# Altium PCB Top Board_PCB.PcbDoc (part 1 of 2)
Units mm, origin at the board's own origin, x right, y up, seen from the top; angles counter-clockwise.
Board outline 139 x 80 mm, 2 copper layers (Top Layer, Bottom Layer), stack 1.57 mm thick; 117 components, 64 nets, 448 pads, 192 vias.
Unrouted connection lines stored in the file: 304.
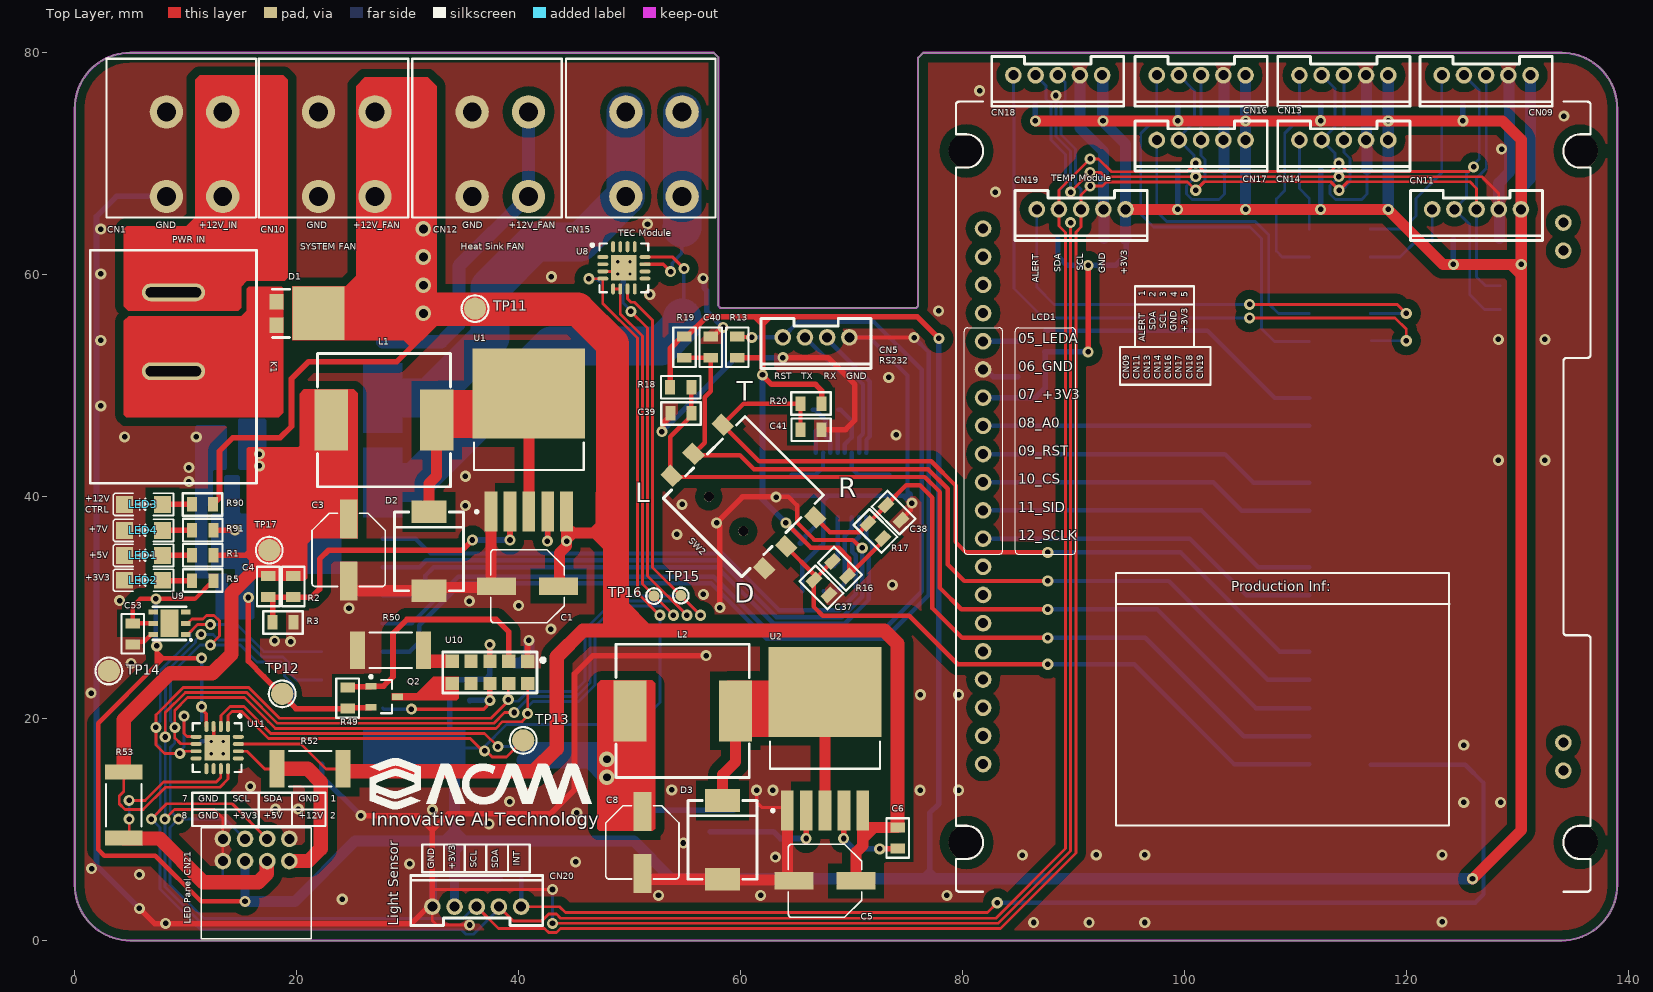
[diagram p0: Top Layer view]
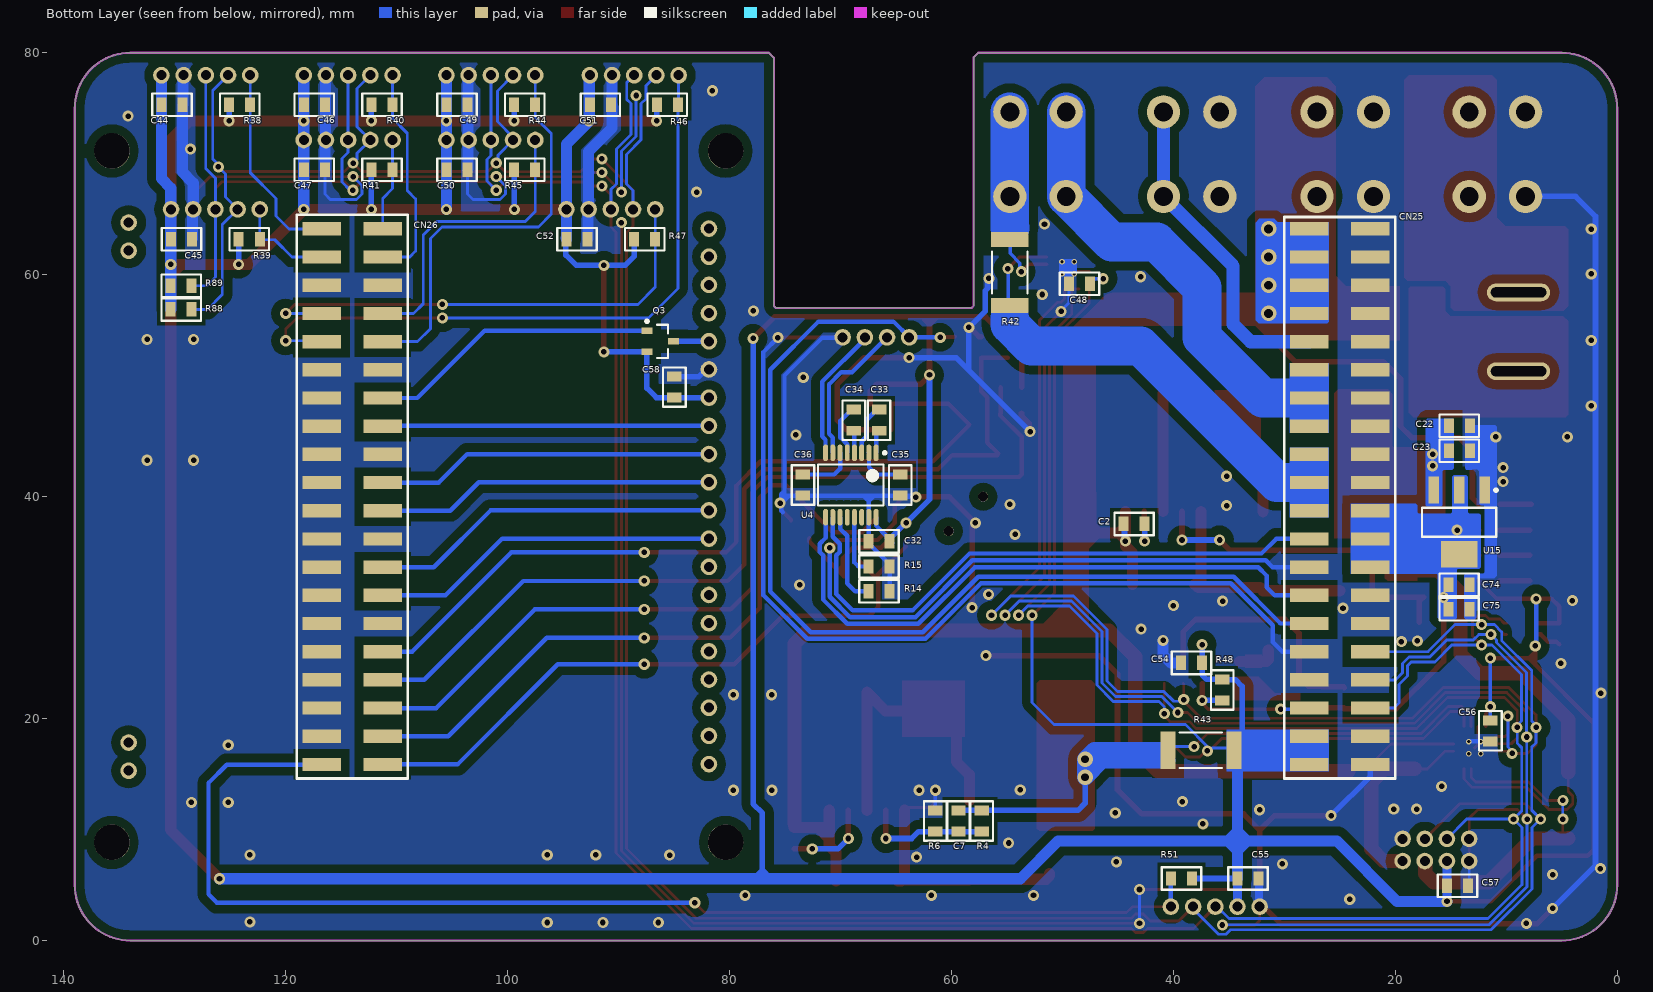
[diagram p1: Bottom Layer view, seen from below]

## Layer stack, top to bottom
Top Solder: solder mask 0.0102, Solder Resist, Dk 3.5
Top Layer: signal copper 0.0356
Dielectric 1: core 1.4986, Core-043, Dk 4.3
Bottom Layer: signal copper 0.0356
Bottom Solder: solder mask 0.0102, Solder Resist, Dk 3.5

## Board outline
0,5 ccw(c5,5) 5,0 134,0 ccw(c134,5) 139,5 139,75 ccw(c134,75) 134,80 76.444,80 76,79.556 76,57.179 75.821,57 58.193,57 58,57.193 58,79.592 57.592,80 5,80 ccw(c5,75) 0,75

## Design rules (kind name [scope] priority, off if disabled: settings)
Clearance Clearance_POLY [InPoly] p1: gap=0.8 ignorepadtopadclearanceinfootprint=FALSE
Clearance [All] p2: gap=0.2 ignorepadtopadclearanceinfootprint=FALSE except(0: Arc-Hole Track-Hole SMDPad-Hole THPad-Hole Via-Hole Fill-Hole Poly-Hole Region-Hole Text-Hole)
ComponentClearance [All] p1: gap=0.01 collisioncheckmode=3 verticalgap=0 showdistances=TRUE
Height [All] p1: minheight=0 maxheight=35 prefheight=12.7
HoleSize [All] p1: absolutevalues=TRUE maxlimit=5 minlimit=0.025 maxpercent=80.000 minpercent=20.000
MinimumSolderMaskSliver [All] p1: minsoldermaskwidth=0.07
PolygonConnect [All] p1: connectstyle=Direct reliefconductorwidth=0.254 reliefentries=4 polygonreliefangle="90 Angle" airgapwidth=0.254
RoutingVias [All] p1: holewidth=0.7 width=1.4 viastyle="Through Hole" minholewidth=0.3 minwidth=1 maxholewidth=1.2 maxwidth=2.4
SilkToSilkClearance [All] p1: silktosilkclearance=0.1
SilkToSolderMaskClearance [IsPad] p1: minsilkscreentomaskgap=0.1 clearancetoexposedcopper=TRUE
SolderMaskExpansion [All] p1: expansion=0.102
Width Width_PWR [InNet('NetCN15_1') or InNet('TEC_A_TOP') or InNet('TEC_B_TOP') or InNet('+12V0') or InNet('NetCN1_1') or InNet('+12V0_IN') or InNet('+12V0_OUT') or InNet('+12V_CMD_TOP') or InNet('+3V3') or InNet('+3V3_OUT') or InNet('+5V0') or InNet('GND') or InNet('+7V0') or InNet('+7V0_OUT')] p1: maxlimit=10 minlimit=0.254 preferedwidth=0.5
Width [All] p2: maxlimit=1 minlimit=0.2 preferedwidth=0.254
24 further rules are at their usual default settings.

## Classes and differential pairs
component class "[13] - TOP BOARD HEADER": CN25 CN26
component class "[09] - DISPLAY": C58 LCD1 Q3
component class "[08] - LUX, LED_BOARD CONN": C55 C56 C57 CN20 "LED Panel CN21" R43 R51 R52 R53 U11
component class "[07] - TEMP, PROXIMITY SENSORS": C53 C54 Q2 R48 R49 R50 TP15 TP16 U9 U10
component class "[06] - TEMP, HUM, CUR SENSORS": C44 C45 C46 C47 C48 C49 C50 C51 C52 CN09 CN10 CN11 CN12 CN13 CN14 CN15 CN16 CN17 CN18 CN19 R38 R39 R40 R41 R42 R44 R45 R46 R47 R88 R89 U8
component class "[03] - RS232, JOYSTICK": C32 C33 C34 C35 C36 C37 C38 C39 C40 C41 CN5 R13 R14 R15 R16 R17 R18 R19 R20 SW2 U4
component class "[01] - POWER": C1 C2 C3 C4 C5 C6 C7 C8 C22 C23 C74 C75 CN1 D1 D2 D3 K1 L1 L2 LED1 LED2 LED3 LED4 R1 R2 R3 R4 R5 R6 R90 R91 TP11 TP12 TP13 TP14 TP17 U1 U2 U15

## Components (designator, comment, footprint, x,y, rotation, side; value= is the part's Value field where it differs from the comment)
C1 "100uF" WCAP-ASLI_6.3x5.5 40.798,31.928 r0 top
C2 "1uF" 0805_C_AUTO 43.536,37.541 r0 bottom
C3 "220uF" WCAP-ASLI_6.3x5.5 24.682,35.201 r90 top
C4 "33nF" 0805_C_AUTO 17.45,31.902 r90 top
C5 "100uF" WCAP-ASLI_6.3x5.5 67.611,5.385 r0 top
C6 "1uF" 0805_C_AUTO 74.168,9.235 r90 top
C7 "33nF" 0805_C_AUTO 59.36,10.77 r90 bottom
C8 "220uF" WCAP-ASLI_6.3x5.5 51.156,8.839 r90 top
C22 "0.1uF" 0805_C_AUTO 14.227,46.38 r0 bottom
C23 "1uF" 0805_C_AUTO 14.227,44.145 r0 bottom
C32 "0.1uF" 0805_C_AUTO 66.523,35.966 r180 bottom
C33 "0.1uF" 0805_C_AUTO 66.523,46.888 r270 bottom
C34 "0.1uF" 0805_C_AUTO 68.809,46.888 r90 bottom
C35 "0.1uF" 0805_C_AUTO 64.618,41.046 r90 bottom
C36 "0.1uF" 0805_C_AUTO 73.381,41.046 r90 bottom
C37 "0.1uF" 0805_C_AUTO 67.285,31.826 r135 top
C38 "0.1uF" 0805_C_AUTO 73.787,38.557 r135 top
C39 "0.1uF" 0805_C_AUTO 54.635,47.498 r0 top
C40 "0.1uF" 0805_C_AUTO 57.315,53.467 r270 top
C41 "0.1uF" 0805_C_AUTO 66.356,46.038 r180 top
C44 "0.1uF" 0805_C_AUTO 130.241,75.311 r0 bottom
C45 "0.1uF" 0805_C_AUTO 129.377,63.195 r0 bottom
C46 "0.1uF" 0805_C_AUTO 117.414,75.311 r0 bottom
C47 "0.1uF" 0805_C_AUTO 117.414,69.469 r0 bottom
C48 "0.1uF" 0805_C_AUTO 48.463,59.182 r180 bottom
C49 "0.1uF" 0805_C_AUTO 104.555,75.311 r0 bottom
C50 "0.1uF" 0805_C_AUTO 104.555,69.469 r0 bottom
C51 "0.1uF" 0805_C_AUTO 91.633,75.311 r0 bottom
C52 "0.1uF" 0805_C_AUTO 93.741,63.195 r0 bottom
C53 "0.1uF" 0805_C_AUTO 5.232,27.635 r90 top
C54 "0.1uF" 0805_C_AUTO 38.364,25.019 r180 bottom
C55 "0.1uF" 0805_C_AUTO 33.27,5.588 r0 bottom
C56 "0.1uF" 0805_C_AUTO 11.43,18.898 r90 bottom
C57 "0.1uF" 0805_C_AUTO 14.392,4.928 r0 bottom
C58 "0.1uF" 0805_C_AUTO 84.963,49.87 r90 bottom
C74 "0.1uF" 0805_C_AUTO 14.249,32.055 r0 bottom
C75 "1uF" 0805_C_AUTO 14.249,29.845 r0 bottom
CN1 "2 pin Connector" KF142R_CONN_2PIN 10.795,70.866 r180 top
CN5 "PH Connector 4-pin" PH_4PIN 66.802,54.356 r180 top
CN09 "PH Connector 5-pin" PH_5PIN 127.191,77.978 r180 top
CN10 "2 pin Connector" KF142R_CONN_2PIN 24.511,70.866 r180 top
CN11 "PH Connector 5-pin" PH_5PIN 126.327,65.891 r180 top
CN12 "2 pin Connector" KF142R_CONN_2PIN 38.354,70.866 r180 top
CN13 "PH Connector 5-pin" PH_5PIN 114.364,77.978 r180 top
CN14 "PH Connector 5-pin" PH_5PIN 114.364,72.139 r180 top
CN15 "2 pin Connector" KF142R_CONN_2PIN 52.197,70.866 r180 top
CN16 "PH Connector 5-pin" PH_5PIN 101.505,77.978 r180 top locked
CN17 "PH Connector 5-pin" PH_5PIN 101.505,72.139 r180 top
CN18 "PH Connector 5-pin" PH_5PIN 88.583,77.978 r180 top
CN19 "PH Connector 5-pin" PH_5PIN 90.691,65.891 r180 top
CN20 "PH Connector 5-pin" PH_5PIN 36.22,3.048 r0 top locked
CN25 "Male Pin Header 2x20 SMD" HEADER_2x20_SMD 25,40 r270 bottom locked
CN26 "Male Pin Header 2x20 SMD" HEADER_2x20_SMD 114,40 r270 bottom locked
D1 "SS12P3L" TO-277A 18.161,56.515 r270 top
D2 "SM5822" DO-214AB 31.921,35.074 r90 top
D3 "SM5822" DO-214AB 58.369,9.068 r90 top
K1 "Rocker Key" MR-1-116 8.89,57.455 r270 top
L1 "47uH" INDUCTOR_12X12 27.864,46.888 r270 top
L2 "47uH" INDUCTOR_12X12 54.784,20.701 r270 top
LCD1 "128 x 64 LCD" LCD_128x64 108,40 r90 top locked
LED1 "RED" LED_1206 6.147,34.722 r90 top
LED2 "GREEN" LED_1206 6.147,32.487 r90 top
LED3 "BLUE" LED_1206 6.147,39.318 r90 top
LED4 "WHITE" LED_1206 6.147,36.982 r90 top
"LED Panel CN21" "PHD 2x4 right" PHDR_8PIN 16.342,8.163 r0 top
Q2 "IRLML6402" SOT23 27.889,21.971 r0 top
Q3 "BC807" SOT23 86.233,54 r180 bottom
R1 "470R" 0805_R_AUTO 11.532,34.722 r0 top
R2 "46K4" 0805_R_AUTO 19.685,31.902 r90 top
R3 "10K" 0805_R_AUTO 18.771,28.664 r180 top
R4 "1K65" 0805_R_AUTO 57.277,10.77 r90 bottom
R5 "100R" 0805_R_AUTO 11.532,32.436 r180 top
R6 "1K" 0805_R_AUTO 61.443,10.77 r270 bottom
R13 "4K7" 0805_R_AUTO 59.69,53.467 r90 top
R14 "0" 0805_R_AUTO 66.523,31.471 r0 bottom
R15 "0" 0805_R_AUTO 66.523,33.706 r180 bottom
R16 "10K" 0805_R_AUTO 68.961,33.503 r315 top
R17 "10K" 0805_R_AUTO 72.151,36.913 r315 top
R18 "10K" 0805_R_AUTO 54.61,49.86 r180 top
R19 "10K" 0805_R_AUTO 54.94,53.467 r90 top
R20 "10K" 0805_R_AUTO 66.345,48.387 r0 top
R38 "10K" 0805_R_AUTO 124.141,75.311 r180 bottom
R39 "10K" 0805_R_AUTO 123.277,63.195 r180 bottom
R40 "10K" 0805_R_AUTO 111.314,75.311 r180 bottom
R41 "10K" 0805_R_AUTO 111.314,69.469 r180 bottom
R42 "0.02R/1W" 2512_R 54.737,60.198 r270 bottom
R43 "0.1R/1W" 2512_R 37.516,17.145 r0 bottom
R44 "10K" 0805_R_AUTO 98.455,75.311 r180 bottom
R45 "10K" 0805_R_AUTO 98.455,69.469 r180 bottom
R46 "10K" 0805_R_AUTO 85.598,75.311 r180 bottom
R47 "10K" 0805_R_AUTO 87.641,63.195 r180 bottom
R48 "8K2" 0805_R_AUTO 35.585,22.581 r270 bottom
R49 "1K" 0805_R_AUTO 24.587,21.844 r270 top
R50 "2R7/2W" 2512_R 28.47,26.162 r0 top
R51 "10K" 0805_R_AUTO 39.27,5.588 r0 bottom
R52 "0.05R/1W" 2512_R 21.209,15.469 r0 top
R53 "0.05R/1W" 2512_R 4.42,12.192 r90 top
R88 "4K7" 0805_R_AUTO 129.413,56.871 r0 bottom
R89 "4K7" 0805_R_AUTO 129.413,59.004 r0 bottom
R90 "1K" 0805_R_AUTO 11.506,39.299 r0 top
R91 "220R" 0805_R_AUTO 11.532,36.982 r180 top
SW2 "LY-A07-03B" LY-A07-03B 60.249,40 r135 top
TP11 "Test Point" PIN_2mm 36.068,56.947 r90 top locked
TP12 "Test Point" PIN_2mm 18.694,22.225 r90 top locked
TP13 "Test Point" PIN_2mm 40.411,18.034 r90 top locked
TP14 "Test Point" PIN_2mm 3.071,24.29 r90 top
TP15 "Test Point" PIN_1mm 54.61,31.09 r90 top
TP16 "Test Point" PIN_1mm 52.197,31.039 r90 top
TP17 "Test Point" PIN_2mm 17.526,35.179 r90 top locked
U1 "XL4015" TO-263-5 40.919,45.11 r90 top
U2 "XL4015" TO-263-5 67.611,18.186 r90 top
U4 "MAX3232CPWR" TSSOP-16 69.063,41.046 r270 bottom
U8 "INA3221" QFN-16#1 49.484,60.62 r0 top
U9 "SI7021" DFN-6 8.534,28.585 r180 top
U10 "VCNL4200" VCNL4200 37.414,24.155 r180 top
U11 "INA3221" QFN-16#2 12.836,17.382 r270 top
U15 "REG1117-5" SOT-223 14.249,37.694 r270 bottom

## Footprints (in the part's own frame and the unit in brackets; to place one, negate y for a bottom-side part, rotate by r counter-clockwise, add the part's x,y. Pads: shape width x height; smd on the part's side, far side on the other; paste and mask are expansions set on the pad)
0805_C_AUTO [mm] "Machine Assembly"
  rect 0.9x1.3 smd mask+0.07: 1(-0.95,0) 2(0.95,0)
  silkscreen extent -1.78,-1.02 1.78,1.02, body extent -1,-0.6 1,0.6, height 1.5
0805_R_AUTO [mm] "Machine Assembly"
  rect 0.9x1.3 smd mask+0.07: 1(-0.95,0) 2(0.95,0)
  silkscreen extent -1.78,-1.02 1.78,1.02, body extent -1,-0.6 1,0.6, height 0.7
2512_R [mm]
  rect 1.35x3.4 smd mask+0.07: 1(-2.975,0) 2(2.975,0)
  silkscreen extent -1.9,-1.6 1.9,1.6, body extent -3.3,-1.7 3.3,1.7, height 0.6
DFN-6 [mm] "3x3 DFN 6 Pin"
  rect 0.85x0.45 smd mask+0.07: 1(-1.45,1) 2(-1.45,0) 3(-1.45,-1) 4(1.45,-1) 5(1.45,0) 6(1.45,1)
  rect 1.6x2.5 smd mask+0.07: 7(0,0)
  silkscreen extent -2.01,-1.5 1.5,1.58, body extent -1.5,-1.5 1.5,1.5, height 1.21
DO-214AB [mm] "Diode"
  rect 2.032x3.18 smd mask+0.07: 1(-3.55,0) 2(3.55,0)
  silkscreen extent -3.55,-3.11 3.55,3.11, body extent -3.97,-2.95 3.98,2.95, height 2.3
HEADER_2x20_SMD [mm] "Pitch 2.54mm"
  rect 1.2x3.5 smd mask+0.07: 1(-24.13,-2.75) 2(-21.59,-2.75) 3(-19.05,-2.75) 4(-16.51,-2.75) 5(-13.97,-2.75) 6(-11.43,-2.75) 7(-8.89,-2.75) 8(-6.35,-2.75) 9(-3.81,-2.75) 10(-1.27,-2.75) 11(1.27,-2.75) 12(3.81,-2.75) 13(6.35,-2.75) 14(8.89,-2.75) 15(11.43,-2.75) 16(13.97,-2.75) 17(16.51,-2.75) 18(19.05,-2.75) 19(21.59,-2.75) 20(24.13,-2.75) 21(24.13,2.75) 22(21.59,2.75) 23(19.05,2.75) 24(16.51,2.75) 25(13.97,2.75) 26(11.43,2.75) 27(8.89,2.75) 28(6.35,2.75) 29(3.81,2.75) 30(1.27,2.75) 31(-1.27,2.75) 32(-3.81,2.75) 33(-6.35,2.75) 34(-8.89,2.75) 35(-11.43,2.75) 36(-13.97,2.75) 37(-16.51,2.75) 38(-19.05,2.75) 39(-21.59,2.75) 40(-24.13,2.75)
  silkscreen extent -25.2,-5 25.4,5, body extent -25.4,-3.75 25.4,3.75, height 9.7
INDUCTOR_12X12 [mm] "Coilcraft MSS1210 series"
  rect 5.5x3 smd: 1(0,4.75) 2(0,-4.75)
  silkscreen extent -6,-6 6,6, body extent -6.15,-6.15 6.15,6.15, height 10.16
KF142R_CONN_2PIN [mm] "KAIFENG Screwless 2 pin Connector"
  round 3 hole 1.7 mask+0.07: 1(-2.54,3.81) 1(-2.54,-3.81) 2(2.54,3.81) 2(2.54,-3.81)
  silkscreen extent -5.54,-8.59 7.94,5.71, body extent -4.93,-8.57 7.67,5.53, height 13.4
LCD_128x64 [mm]
  round 1.5 hole 0.9: 1(24.16,26.15) 2(21.62,26.15) 3(19.08,26.15) 4(16.54,26.15) 5(14,26.15) 6(11.46,26.15) 7(8.92,26.15) 8(6.38,26.15) 9(3.84,26.15) 10(1.3,26.15) 11(-1.24,26.15) 12(-3.78,26.15) 13(-6.32,26.15) 14(-8.86,26.15) 15(-11.4,26.15) 16(-13.94,26.15) 17(-16.48,26.15) 18(-19.02,26.15) 19(-21.56,26.15) 20(-24.1,26.15) 21(24.7,-26.15) 22(22.16,-26.15) 23(-22.16,-26.15) 24(-24.7,-26.15)
  silkscreen extent -35.6,-28.6 35.6,28.6, body extent -35.6,-28.6 35.6,28.6, height 26.8
LED_1206 [mil]
  rect 60x60 smd: 1(-0.75,-68.86) 2(-0.75,66.14)
  silkscreen extent -40,-108 39,106
LY-A07-03B [mm] "Multi Direction Tact Switch"
  rect 1.6x1.3 smd mask+0.07: 1(-5.9,3.25) 2(-5.9,0.45) 3(-5.9,-3.25) 4(5.9,3.25) 5(5.9,0.45) 6(5.9,-3.25)
  round 0.9 hole 0.9 mask+0.07: ""(-2.2,2.2) ""(2.2,2.2)
  silkscreen extent -5,-5.2 5,5.2
MR-1-116 [mm] "Switch"
  oval 1.6x5.7 hole 0.9 slot 5 at 90 deg mask+0.07: 1(-0.95,0) 2(6.15,0)
  silkscreen extent -4.75,-7.5 16.25,7.5
PH_4PIN [mm] "PH Connector 4 pin, 2mm pitch"
  round 1.5 hole 0.9 mask+0.07: 1(3,0) 2(1,0) 3(-1,0) 4(-3,0)
  silkscreen extent -4.95,-1.7 4.95,2.8, body extent -5,-1.69 4.95,2.81, height 6
PH_5PIN [mm] "PH Connector 5 pin, 2mm pitch"
  round 1.5 hole 0.9 mask+0.07: 1(4,0) 2(2,0) 3(0,0) 4(-2,0) 5(-4,0)
  silkscreen extent -5.95,-1.7 5.95,2.8, body extent -5.92,-1.73 5.98,2.77, height 6
PHDR_8PIN [mm] "S8B-PHDSS, PHD Connector , 2x4, 2mm pitch, right"
  round 1.5 hole 0.9 mask+0.07: 1(3,1) 2(3,-1) 3(1,1) 4(1,-1) 5(-1,1) 6(-1,-1) 7(-3,1) 8(-3,-1)
  silkscreen extent -4.95,-8 4.95,2, body extent -4.98,-7.98 4.92,1.52, height 5
PIN_1mm [mm] "single pin"
  round 1 smd mask+0.07: 1(0,0)
  silkscreen extent -0.71,-0.71 0.71,0.71
PIN_2mm [mm] "single pin"
  round 2 smd mask+0.07: 1(0,0)
  silkscreen extent -1.2,-1.2 1.2,1.2
QFN-16#1 [mm] "QFN, 16-Leads, Body 4.00x4.00mm, Pitch 0.65mm, Thermal Pad 2.30x2.30mm, IPC Medium Density"
  oval 1x0.35 smd: 1(-1.9,0.975) 2(-1.9,0.325) 3(-1.9,-0.325) 4(-1.9,-0.975) 9(1.9,-0.975) 10(1.9,-0.325) 11(1.9,0.325) 12(1.9,0.975)
  oval 0.35x1 smd: 5(-0.975,-1.9) 6(-0.325,-1.9) 7(0.325,-1.9) 8(0.975,-1.9) 13(0.975,1.9) 14(0.325,1.9) 15(-0.325,1.9) 16(-0.975,1.9)
  rect 2.3x2.3 smd mask+0: 17(0,0)
  silkscreen extent -2.97,-2.2 2.2,2.2, body extent -2.1,-2.1 2.1,2.1, height 1
QFN-16#2 [mm] "QFN, 16-Leads, Body 4.00x4.00mm, Pitch 0.65mm, Thermal Pad 2.30x2.30mm, IPC Medium Density"
  oval 1x0.35 smd: 1(-1.9,0.975) 2(-1.9,0.325) 3(-1.9,-0.325) 4(-1.9,-0.975) 11(1.9,0.325) 12(1.9,0.975)
  oval 0.35x1 smd: 5(-0.975,-1.9) 6(-0.325,-1.9) 7(0.325,-1.9) 8(0.975,-1.9) 13(0.975,1.9) 14(0.325,1.9) 15(-0.325,1.9) 16(-0.975,1.9)
  oval 1x0.35 smd mask+0.07: 9(1.9,-0.975) 10(1.9,-0.325)
  rect 2.3x2.3 smd mask+0: 17(0,0)
  silkscreen extent -2.97,-2.2 2.2,2.2, body extent -2.1,-2.1 2.1,2.1, height 1
SOT23 [mm] "SOT23, 3-Leads, Body 2/90x2/45mm, Pitch 0/95mm, IPC Medium Density"
  rect 1x0.6 smd mask+0.07: 1(-1.2,0.95) 2(-1.2,-0.95) 3(1.2,0)
  silkscreen extent -1.32,-1.5 0.7,1.92, body extent -1.2,-1.5 1.2,1.5, height 1.1
SOT-223 [mm] "SOT223, 4-Leads, Body 6.7x7.3mm (max), Pitch 2.30mm, IPC Medium Density"
  rect 2.4x0.95 smd mask+0.07: 1(-2.9,2.3) 2(-2.9,0) 3(-2.9,-2.3)
  rect 2.4x3.3 smd mask+0.07: 2(2.9,0)
  silkscreen extent -3.02,-3.35 1.3,3.45, body extent -1.85,-3.35 1.85,3.35, height 1.8
TO-263-5 [mm] "D2-PAK, 6-Pads, Body 8,9x9,9mm (max), IPC Low Density"
  rect 3.6x1.15 smd mask+0.07: 1(-6.45,3.4) 2(-6.45,1.7) 3(-6.45,0) 4(-6.45,-1.7) 5(-6.45,-3.4)
  rect 8.1x10.15 smd paste-5 mask+0.07: 3(4.2,0)
  silkscreen extent -6.6,-4.95 -0.25,4.95, body extent -7.31,-5.08 7.33,5.08, height 4.57
TO-277A [mm] "Dual Diode Package"
  rect 1.4x1.27 smd: 1(1.065,0) 2(-1.065,0)
  rect 4.8x4.72 smd: 3(0,3.805)
  silkscreen extent -2.17,-0.33 2.17,1.19, body extent -2.33,-0.46 2.27,6.04, height 1.05
TSSOP-16 [mm] "TSSOP, 16-Leads, Body 5.50x4.40mm, Pitch 0.65mm, IPC Medium Density"
  oval 1.5x0.45 smd mask+0.065: 1(-2.9,2.275) 2(-2.9,1.625) 3(-2.9,0.975) 4(-2.9,0.325) 5(-2.9,-0.325) 6(-2.9,-0.975) 7(-2.9,-1.625) 8(-2.9,-2.275) 9(2.9,-2.275) 10(2.9,-1.625) 11(2.9,-0.975) 12(2.9,-0.325) 13(2.9,0.325) 14(2.9,0.975) 15(2.9,1.625) 16(2.9,2.275)
  silkscreen extent -3.02,-2.95 1.85,3.17, body extent -3.2,-2.95 3.2,2.95, height 1.2
VCNL4200 [mm] "High Sensitivity Long Distance Proximity Sensor"
  rect 1.2x1.2 smd mask+0.07: 1(-3.4,-1) 2(-1.7,-1) 3(0,-1) 4(1.7,-1) 5(3.4,-1) 6(3.4,1) 7(1.7,1) 8(0,1) 9(-1.7,1) 10(-3.4,1)
  silkscreen extent -4.94,-1.85 4.25,1.85, body extent -4,-1.47 4,1.53, height 1.8
WCAP-ASLI_6.3x5.5 [mm] "Aluminium Electrolytic V-Chip SMT Capacitors, ��6.3x5.5mm"
  rect 3.5x1.6 smd mask+0.07: 1(2.8,0) 2(-2.8,0)
  silkscreen extent -3.3,-3.3 3.3,3.3, body extent -3.65,-3.3 3.65,3.3, height 5.5

## Part data
C1 C5: library part "Cap Aluminium Electrolytic", "Aluminium Electrolytic Capacitor", RATED_VOLTAGE=25V
C2 C6 C23 C75: library part "Cap SMD", "Non-Pol SMD Capacitor", RATED_VOLTAGE=25V
C3 C8: library part "Cap Aluminium Electrolytic", "Aluminium Electrolytic Capacitor", RATED_VOLTAGE=16V
C4 C7 C22 C32 C33 C34 C35 C36 C37 C38 C39 C40 C41 C44 C45 C46 C47 C48 C49 C50 C51 C52 C53 C54 C55 C56 C57 C58 C74: library part "Cap SMD", "Non-Pol SMD Capacitor", RATED_VOLTAGE=16V
CN1 CN10 CN12 CN15: library part "Connector Screwless 2 pin", "KAIFENG Screwless Connector 2 pin", Manufacturer Part Num=KF142R
CN5: "PH Connector , 4 pin, 2mm pitch, straight"
CN09 CN11 CN13 CN14 CN16 CN17 CN18 CN19 CN20: "PH Connector , 5 pin, 2mm pitch, straight"
CN25 CN26: library part "Pin header Male 2x20 smd", "SMD Male Pin Header 2.54mm Pitch, 2x20", System=Connector
D1: library part "Diode dual", "High Current Density Surface Mount Schottky Barrier Rectifiers", Manufacturer Part Num=SS12P3LHM3_A/H
D2 D3: library part "Diode Schottky", "Schottky Diode"
K1: Manufacturer Part Num=MR-1-116-C5N-BB
L1 L2: library part Inductor, "Inductor SMD", Manufacturer Part Num=MSS1210-473MED
LCD1: library part "LCD 128x64", "Chiness 128 x 64 LCD"
LED1 LED2 LED3 LED4: library part LED, "Typical LED"
"LED Panel CN21": library part "PHD Connector 2x4 Right", "S8B-PHDSS, PH Double Right 2x4"
Q2: library part "MOSFET P-CH", "P-Channel Mosfet", Manufacturer Part Num=IRLML6402TRPBF
Q3: library part "Transistor PNP", "PNP General Purpose Transistor"
R1 R2 R3 R4 R6: library part "Res SMD", "SMD Resistor", Tolerance=1%
R5 R13 R14 R15 R16 R17 R18 R19 R20 R38 R39 R40 R41 R44 R45 R46 R47 R48 R49 R51 R88 R89 R90 R91: library part "Res SMD", "SMD Resistor", Tolerance=5%
R42: library part "Res SMD", "SMD Resistor", Manufacturer Part Num=RL2512FK-070R02L, Tolerance=1%
R43: library part "Res SMD", "SMD Resistor", Manufacturer Part Num=RL2512FK-070R1L, Tolerance=1%
R50: library part "Res SMD", "SMD Resistor", Manufacturer Part Num=AC2512JK-7W2R7L, Tolerance=5%
R52 R53: library part "Res SMD", "SMD Resistor", Manufacturer Part Num=RL2512FK-070R05L, Tolerance=1%
SW2: library part "KEY 5W", "5 Way Key"
TP11 TP12 TP13 TP14 TP15 TP16 TP17: "Test Point Footprint"
U4: library part MAX3232, "3.0V TO 5.5V, Low-Power, up to 1Mbps, True RS-232 Transceiver Using Four 0.1µF External Capacitor"
U8 U11: "INA3221 Triple-Channel, High-Side Measurement, / Shunt and Bus Voltage Monitor with I2C- and SMBUS-Compatible Interface", Manufacturer Part Num=INA3221AIRGVR
U9: "I2C HUMIDITY AND TEMPERATURE SENSOR"
U10: "High Sensitivity Long Distance Proximity and Ambient Light Sensor With I2C Interface"
U15: library part REG1117, "3-Terminal Positive Fixed Voltage Regulator"

## Free pads (board coordinates)
  round 3.2 hole 3.2 mask+0.07: ""(80.35,8.85) ""(80.35,71.15) ""(135.65,8.85) ""(135.65,71.15)

## Via types
v1: diameter 1, hole 0.5, Top Layer to Bottom Layer, tented both sides, 178 vias
v2: diameter 0.5, hole 0.3, Top Layer to Bottom Layer, 8 vias
v3: diameter 1.4, hole 0.8, Top Layer to Bottom Layer, tented both sides, 4 vias
v4: diameter 1.4, hole 0.7, Top Layer to Bottom Layer, tented both sides, 2 vias

## Nets (pads, with @x,y where several pads share a name; then routed paths per layer and width w, separated by ;. In a path a pad name is that pad's centre, name@x,y a point inside that pad or via, vN(x,y) a via of type N, cw(c..) or ccw(c..) an arc to the next point about the centre after c; other vN are vias at no path point)
+3V3: "LED Panel CN21.6" C32.2 C44.2 C45.2 C46.2 C47.2 C48.2 C49.2 C50.2 C51.2 C52.2 C53.2 C54.2 C55.2 C56.2 C57.2 C58.1 CN09.5 CN11.5 CN13.5 CN14.5 CN16.5 CN17.5 CN18.5 CN19.5 CN20.4 CN25.19 CN25.20 LCD1.7 Q3.2 R5.1 R13.1 R16.2 R17.2 R18.2 R19.2 R20.2 R38.1 R39.1 R40.1 R41.1 R43.1 R44.1 R45.1 R46.1 R47.1 R48.1 R51.1 R88.2 R89.2 TP13.1 U4.16 U8.4 U9.5 U10.3 U11.1 U11.4 | length 716.9
  Top Layer w0.254: U11.1@13.811,19.282 13.811,20.262 14.176,20.628 15.052,20.628 17.47,18.21 35.638,18.21 36.76,17.088 v1(36.925,17.088) 37.067,17.088 37.619,16.535 38.913,16.535 TP13.1@40.411,18.034 ; v1@46.332,59.642 U8.4@47.581,59.642 ; U8.4@47.543,59.642 47.584,59.601 47.584,57.405 50.708,54.281 50.708,31.309 v1@52.705,29.312
  Top Layer w0.3: v1(11.43,21.064) 11.43,20.875 11.861,20.444 U11.4@11.861,19.282 ; v1(46.33,59.639) v1@46.332,59.642 ; U8.4@47.581,59.642 U8.4@47.584,59.645
  Top Layer w0.4: U9.5@7.084,28.585 C53.2@5.232,28.585 5.232,30.124 5.893,30.785 v1(7.315,30.785) 10.831,30.785 R5.1@12.482,32.436 ; v1(7.391,26.543) 7.391,25.984 ; v1(11.43,25.451) 7.95,25.451 ; v1(15.342,3.531) 11.379,3.531 7.264,7.645 2.667,7.645 2.108,8.204 2.108,19.583 7.391,24.867 ; v1(64.084,37.643) 66.319,35.408 68.834,35.408 69.774,34.467 69.774,33.782 ; R17.2@72.823,36.241 72.823,35.965 70.182,33.323 ; 7.391,24.867 7.391,25.451 ; 7.391,24.867 7.95,25.425 ; 7.391,25.451 7.925,25.451 ; 7.391,25.451 7.391,25.984 ; 7.391,25.984 7.925,25.451 ; 7.925,25.451 7.95,25.451 ; 7.925,25.451 7.95,25.425 ; 7.95,25.425 7.95,25.451 ; 69.774,33.782 69.774,32.972 R16.2@69.633,32.831 69.689,32.831 70.182,33.323 ; 69.774,33.782 70.182,33.375 70.182,33.323
  Top Layer w0.5: U10.3@37.414,25.155 v1(37.414,26.67) ; R18.2@53.66,49.86 53.66,53.337 54.74,54.417 R19.2@54.94,54.417 55.14,54.417 56.918,56.195 61.316,56.195 ; R13.1@59.69,52.517 61.966,52.517 61.976,52.527 ; R20.2@67.295,48.387 67.31,48.402 67.31,49.555 66.751,50.114 62.789,50.114 61.976,50.927 v1(61.976,50.978) 61.976,52.527 ; v1(77.876,54.254) 75.936,56.195 62.509,56.195 ; v1(91.313,53.05) v1(91.313,60.833) ; 61.316,56.195 61.912,56.195 ; 61.316,56.195 61.976,55.535 ; 61.912,56.195 62.509,56.195 ; 61.912,56.195 61.976,56.132 61.976,55.535 ; 61.976,52.527 61.976,55.535 ; 61.976,55.535 62.509,56.068 62.509,56.195
  Top Layer w1: v1(86.563,73.863) 128.651,73.863 130.353,72.161 v1(130.353,60.935) ; CN19.5@94.691,65.891 v1(105.505,65.891) v1(118.364,65.891) 123.32,60.935 v1(124.231,60.935) 129.413,60.935 ; v1(125.959,5.563) 130.353,9.957 130.353,59.995 ; 129.413,60.935 130.353,59.995 ; 129.413,60.935 v1(130.353,60.935) ; 130.353,59.995 v1(130.353,60.935)
  Bottom Layer w0.254: R43.1@35.074,16.612 R43.1@34.541,17.145 34.744,17.348 36.5,17.348 36.603,17.245 36.805,17.245 36.906,17.144 37.059,17.296 v1@37.059,17.493 ; v1@36.805,17.348 38.913,19.456 50.749,19.456 52.73,21.438 v1@52.73,29.337
  Bottom Layer w0.3: C56.2@11.43,19.848 v1(11.43,21.064) v1(11.43,25.451) ; v1(46.33,59.639) 47.056,59.639 C48.2@47.513,59.182
  Bottom Layer w0.4: v1@7.315,26.543 v1(7.315,30.785) ; C32.2@65.573,35.966 65.823,36.216 65.823,36.435 66.788,37.4 U4.16@66.788,37.793 ; U4.16@66.765,37.77 U4.16@66.788,37.793 ; U4.16@66.788,38.146 U4.16@66.788,37.793
  Bottom Layer w0.5: 33.807,18.237 33.807,22.9 34.417,23.51 35.565,23.51 R48.1@35.585,23.531 ; C55.2@34.22,5.588 R51.1@38.32,5.588 ; R48.1@35.296,23.541 37.003,23.541 37.414,23.952 C54.2@37.414,25.019 v1(37.414,26.67) ; v1(61.976,50.978) 61.976,39.751 v1(64.084,37.643) ; v1@64.078,37.661 65.573,36.166 C32.2@65.573,35.966 C32.2@65.395,35.789 ; 76.251,5.563 77.038,6.35 ; 77.089,5.563 77.038,5.613 77.038,6.35 ; 77.826,5.563 77.038,6.35 ; v1(77.876,54.254) 77.876,12.319 77.038,11.481 77.038,6.35 ; LCD1.7@81.85,48.92 C58.1@84.963,48.92 86.588,48.92 87.452,49.784 87.452,53.031 Q3.2@87.433,53.05 v1(91.313,53.05) ; R46.1@86.548,75.311 86.556,75.303 86.556,73.871 v1(86.563,73.863) ; R47.1@88.591,63.195 88.591,61.65 89.408,60.833 v1(91.313,60.833) 93.802,60.833 94.735,61.766 94.735,63.288 C52.2@94.718,63.305 ; C51.2@92.583,75.311 CN18.5@92.583,77.978 ; C52.2@94.691,63.332 C52.2@94.718,63.305 ; C52.2@94.735,63.322 C52.2@94.718,63.305 ; v1(99.39,65.888) 99.398,65.895 99.398,69.462 R45.1@99.405,69.469 ; R44.1@99.405,75.311 99.41,75.306 99.41,73.876 v1(99.416,73.871) ; R41.1@112.264,69.469 112.268,69.465 v1(112.268,65.888) ; v1@112.264,73.881 R40.1@112.264,75.311 ; R39.1@124.227,63.195 124.231,63.191 v1(124.231,60.935) ; v1@125.091,73.881 R38.1@125.091,75.311
  Bottom Layer w0.8: v1(15.342,3.531) C57.2@15.342,4.928 15.342,7.163 ; CN20.4@34.22,3.048 C55.2@34.22,5.588
  Bottom Layer w1: v1(15.342,3.531) 19.837,3.531 25.273,8.966 33.35,8.966 ; CN25.20@27.75,15.87 27.75,17.043 ; CN25.19@27.75,18.41 27.75,17.043 ; C55.2@34.22,5.588 34.22,8.096 ; R43.1@34.515,17.043 27.75,17.043 ; R43.1@34.541,18.17 R43.1@34.541,17.145 34.22,16.825 34.22,9.836 ; CN18.5@92.583,77.978 92.634,77.927 92.634,73.843 94.691,71.785 CN19.5@94.691,65.891 94.691,63.332 C52.2@94.691,63.278 ; C52.2@94.691,63.195 C52.2@94.691,63.278 ; C52.2@94.718,63.305 C52.2@94.691,63.278 ; v1(105.505,65.891) C50.2@105.505,69.469 CN17.5@105.505,72.139 C49.2@105.505,75.311 CN16.5@105.505,77.978 ; v1(118.364,65.891) C47.2@118.364,69.469 CN14.5@118.364,72.139 C46.2@118.364,75.311 CN13.5@118.364,77.978 ; v1(125.959,5.563) 77.826,5.563 77.089,5.563 76.251,5.563 53.797,5.563 50.394,8.966 35.091,8.966 ; R88.2@130.363,56.871 130.353,56.881 v1(130.353,60.935) 130.353,67.818 131.191,68.656 C44.2@131.191,75.311 CN09.5@131.191,77.978 ; 33.35,8.966 34.22,8.966 ; 33.35,8.966 34.22,9.836 ; 33.35,8.966 34.22,8.096 ; 34.22,8.096 35.091,8.966 ; 34.22,8.096 34.22,8.966 ; 34.22,8.966 35.091,8.966 ; 34.22,8.966 34.22,9.836 ; 34.22,9.836 35.091,8.966
  other v1: 52.73,29.312 92.659,73.863 105.512,73.863 118.364,73.863 112.269,73.876 125.096,73.876
+3V3_OUT: C7.2 C8.1 L2.2 R4.2 R43.2 U11.2 | length 71
  Top Layer w0.254: U11.2@13.161,19.282 13.179,19.301 13.179,20.273 13.988,21.082 15.24,21.082 17.658,18.664 36.936,18.664 v1(38.125,17.475)
  Top Layer w1.5: L2.2@50.034,20.701 50.034,15.981 51.156,14.859 C8.1@51.156,11.639
  Bottom Layer w0.254: v1(38.125,17.475) 40.161,17.475 R43.2@40.491,17.145
  Bottom Layer w0.5: v4(47.955,14.707) 47.955,12.37 48.605,11.72 R4.2@57.277,11.72 C7.2@59.36,11.72
  Bottom Layer w1.5: R43.2@40.566,16.256 46.406,16.256 v4(47.955,14.707) v4(47.955,16.332) 47.142,17.145 R43.2@40.716,17.145
+5V0: C74.2 C75.2 CN25.28 CN25.29 CN25.30 Q2.2 R49.2 R91.1 TP12.1 U15.2 | length 20.6
  Top Layer w0.5: R91.1@12.482,36.982 v1(14.427,36.982) ; v1(15.646,30.912) 15.646,25.171 17.069,23.749 19.113,21.704 19.924,20.894 R49.2@24.587,20.894 24.664,20.971 26.639,20.971 Q2.2@26.689,21.021
+7V0: C3.1 C4.2 C22.2 C23.2 L1.2 R1.2 R2.2 R53.2 TP17.1 U11.12 U15.3 | length 63.6
  Top Layer w0.254: R53.2@4.42,15.167 4.42,13.437 4.013,13.03 4.013,12.319 4.535,11.797 6.164,11.797 8.185,13.818 13.081,13.818 13.811,14.547 U11.12@13.811,15.482
  Top Layer w0.5: R1.2@12.482,34.722 15.621,34.722 ; 16.231,33.35 15.951,33.63 15.951,34.392 ; 16.993,33.35 16.612,33.731 15.951,34.392 ; 18.872,35.966 16.866,35.966 15.621,34.722 ; 19.406,38.227 19.558,38.075 ; 15.621,34.722 15.951,34.392
  Top Layer w1.3: R53.2@4.42,15.167 4.42,19.914 8.585,24.079 12.395,24.079 14.122,25.806 14.122,31.318 16.154,33.35 ; 16.231,33.35 16.993,33.35 17.653,33.35 19.685,33.35 ; L1.2@23.114,46.888 23.419,46.583 23.419,42.316 24.532,41.204 24.532,38.151 C3.1@24.682,38.001
  other v1: 16.637,42.774 16.637,43.84
+7V0_OUT: "LED Panel CN21.4" R53.1 U11.11 | length 29.5
  Top Layer w0.254: R53.1@4.42,9.217 4.902,9.7 v1(4.902,10.947) ; v1(4.902,12.624) 6.344,12.624 7.995,14.275 12.754,14.275 13.161,14.681 U11.11@13.161,15.482
  Top Layer w1.3: R53.1@4.42,9.217 4.445,9.192 7.648,9.192 11.582,5.258 16.535,5.258 17.303,6.026 17.303,7.125 17.342,7.163
  Bottom Layer w0.254: v1(4.902,10.947) v1(4.902,12.624)
+12V0: C1.1 C2.2 C5.1 C6.2 CN10.1 CN25.1 CN25.2 CN25.3 CN25.4 D1.3 R52.2 R90.2 TP11.1 U1.5 U2.5 U11.15 | length 228.6
  Top Layer w0.254: U11.15@14.736,17.707 20.393,17.707 22.631,15.469 R52.2@24.184,15.469
  Top Layer w0.5: R90.2@12.456,39.299 13.04,39.883 13.04,44.105 14.249,45.314 18.517,45.314 19.533,46.33 19.533,50.622 21.082,52.172 29.032,52.172 30.518,53.657 ; 29.591,54.47 30.404,53.657 30.518,53.657 ; 30.518,54.47 30.518,53.657 ; 31.471,54.61 30.518,53.657
  Top Layer w1: D1.3@21.966,56.515 v3(31.42,56.515) ; C1.1@43.669,32.08 43.669,34.909 44.319,35.56 v1@44.319,36.17 ; U1.5@44.319,38.66 U1.5@44.319,37.287 ; 47.498,37.451 46.76,36.713 44.893,36.713 ; C5.1@70.411,5.385 70.411,7.952 71.011,8.552 71.011,9.187 ; U2.5@71.011,11.736 U2.5@71.011,10.511 ; C6.2@74.168,10.185 72.009,10.185 ; v1@44.319,36.17 44.35,36.17 44.893,36.713 ; v1@44.319,36.17 U1.5@44.319,37.287 ; U1.5@44.319,37.287 44.893,36.713 ; 71.011,9.187 72.009,10.185 ; 71.011,9.187 U2.5@71.011,10.511 ; U2.5@71.011,10.511 71.337,10.185 72.009,10.185
  Top Layer w1.3: R52.2@24.257,15.24 41.377,15.24 43.434,17.297 43.434,25.578 45.796,27.94 49.327,27.94 ; 48.26,27.94 48.26,39.141 49.301,40.183 49.301,30.099 49.327,30.074 ; C6.2@74.143,10.516 74.143,26.746 72.949,27.94 51.46,27.94 ; 49.327,27.94 51.46,27.94 ; 49.327,27.94 49.327,30.074 ; 49.327,30.074 51.46,27.94
  Top Layer w3: 30.48,56.896 45.339,56.896 48.463,53.772 48.463,40.361
  Bottom Layer w0.5: v1(44.323,35.992) 44.404,36.073 44.404,37.46 C2.2@44.486,37.541
  Bottom Layer w1: CN25.4@27.75,56.51 v3@31.415,56.51 ; CN25.3@27.75,59.05 31.415,59.05 v3(31.42,59.055) ; CN25.2@27.75,61.59 v3@31.415,61.59 ; CN25.1@27.75,64.13 v3@31.415,64.13
  other v3: 31.42,61.595 31.42,64.135
+12V0_IN: D1.1 D1.2 K1.2 | length 2.2
  Top Layer w1: D1.1@18.125,55.414 D1.1@18.161,55.45 D1.2@18.161,57.58
+12V0_OUT: "LED Panel CN21.2" R52.1 U11.14 | length 17.9
  Top Layer w0.254: U11.14@14.736,17.057 15.531,17.057 17.12,15.469 R52.1@18.234,15.469
  Top Layer w1.3: R52.1@18.234,15.469 20.98,15.469 22.182,14.267 22.182,8.288 21.057,7.163 19.342,7.163
+12V_CMD_TOP: CN12.1 CN25.5 | length 29.2
  Bottom Layer w1.2: CN25.5@27.75,53.97 33.04,53.97 34.62,55.55 34.62,60.782 CN12.1@40.894,67.056 CN12.1@40.894,74.676
ALERT0_TMP275_TOP: CN09.1 CN26.1 R38.2 | length 18.2
  Bottom Layer w0.254: CN26.1@116.75,64.13 119.705,64.13 120.853,65.278 120.853,66.853 123.191,69.191 R38.2@123.191,75.311 CN09.1@123.191,77.978
ALERT1_TMP275_TOP: CN11.1 CN26.2 R39.2 | length 9.2
  Bottom Layer w0.254: CN26.2@116.75,61.59 119.426,61.59 120.98,63.144 122.178,63.144 122.327,62.995 R39.2@122.327,63.195 CN11.1@122.327,65.891
ALERT2_TMP275_TOP: CN13.1 CN26.39 R40.2 | length 19.9
  Bottom Layer w0.254: CN13.1@110.364,77.978 R40.2@110.364,75.311 110.364,74.067 109.042,72.746 109.042,67.589 108.28,66.827 108.28,62.128 108.819,61.59 CN26.39@111.25,61.59
ALERT3_TMP275_TOP: CN14.1 CN26.40 R41.2 | length 8.4
  Bottom Layer w0.254: CN14.1@110.364,72.139 R41.2@110.364,69.469 110.364,67.766 111.25,66.88 CN26.40@111.25,64.13
ALERT4_TMP275_TOP: CN16.1 CN26.36 R44.2 | length 37.8
  Bottom Layer w0.254: R44.2@97.505,75.311 97.505,74.162 96.063,72.72 96.063,65.456 97.206,64.313 105.893,64.313 106.948,63.257 106.948,55.129 108.107,53.97 CN26.36@111.25,53.97 ; R44.2@97.505,75.341 CN16.1@97.505,77.978
ALERT5_TMP275_TOP: CN17.1 CN26.37 R45.2 | length 27.6
  Bottom Layer w0.254: CN17.1@97.505,72.139 R45.2@97.505,69.469 97.505,65.69 98.4,64.795 106.375,64.795 107.594,63.576 107.594,57.379 108.463,56.51 CN26.37@111.25,56.51
ALERT6_TMP275_TOP: CN18.1 CN26.5 R46.2 | length 60.3
  Top Layer w0.254: v1(105.867,56.109) 118.974,56.109 119.99,55.093 v1(119.99,54.051)
  Bottom Layer w0.254: CN18.1@84.583,77.978 84.583,75.376 R46.2@84.648,75.311 84.648,58.761 87.301,56.109 v1(105.867,56.109) ; CN26.5@116.831,54.051 v1(119.99,54.051)
ALERT7_TMP275_TOP: CN19.1 CN26.4 R47.2 | length 44.5
  Top Layer w0.254: v1(105.867,57.328) 119.177,57.328 v1(119.99,56.515)
  Bottom Layer w0.254: CN19.1@86.691,65.891 R47.2@86.691,63.195 86.691,58.876 88.24,57.328 v1(105.867,57.328) ; CN26.4@116.75,56.51 116.755,56.515 v1(119.99,56.515)
BTN-1_TOP: C37.2 CN26.21 R16.1 SW2.2 | length 59.4
  Top Layer w0.4: SW2.2@64.103,35.51 66.687,32.926 66.687,32.572 C37.2@66.613,32.498 ; R16.1@68.289,34.174 C37.2@66.613,32.498 ; v1(87.681,24.892) 79.578,24.892 75.209,29.261 67.412,29.261 66.613,30.06 C37.2@66.613,32.498
  Bottom Layer w0.4: v1(87.681,24.892) 95.479,24.892 104.501,15.87 CN26.21@111.25,15.87
BTN-2_TOP: C38.2 CN26.22 R17.1 SW2.3 | length 62.1
  Top Layer w0.4: SW2.3@66.719,38.126 68.053,36.792 70.687,36.792 R17.1@71.479,37.584 71.479,37.589 73.115,39.225 C38.2@73.115,39.229 74.933,41.046 76.149,41.046 77.292,39.903 77.292,29.947 79.959,27.28 v1(87.681,27.28)
  Bottom Layer w0.4: v1(87.681,27.28) 96.468,27.28 105.337,18.41 CN26.22@111.25,18.41
BTN-3_TOP: C39.2 CN26.23 R18.1 SW2.4 | length 80
  Top Layer w0.4: R18.1@55.56,49.86 55.573,49.847 55.573,47.511 C39.2@55.585,47.498 55.585,47.298 53.673,45.385 53.673,41.98 SW2.4@53.779,41.874 53.885,41.768 76.606,41.768 77.963,40.411 77.963,31.775 79.893,29.845 v1(87.681,29.845)
  Bottom Layer w0.4: v1(87.681,29.845) 97.53,29.845 106.425,20.95 CN26.23@111.25,20.95